# KiCad board model-c.kicad_pcb (continued)
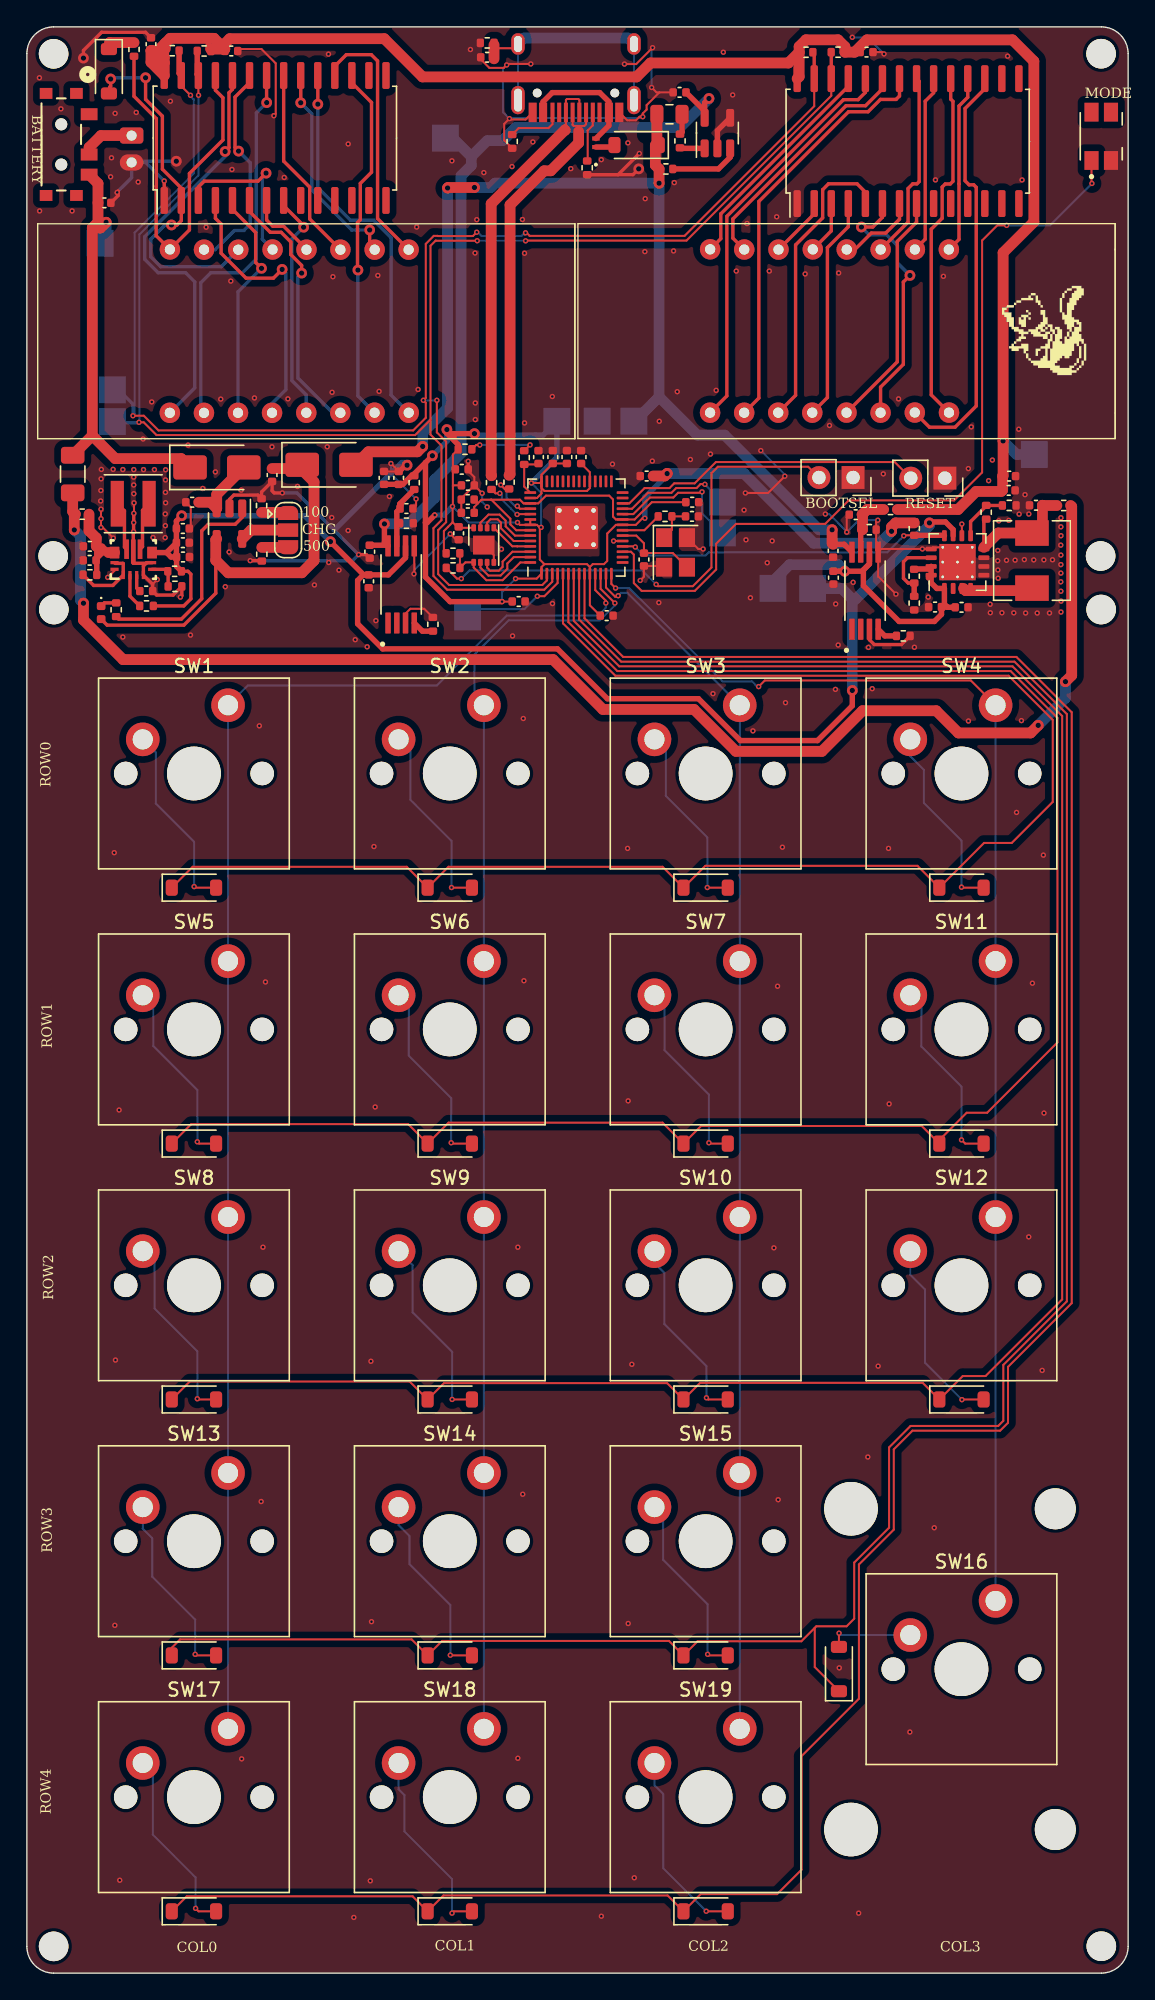
[diagram p0: board, top side]
## Routing (per net, layer and track width the routed paths; a pad name or vN(x,y) marks a point on that pad's centre or on a via; arc(x,y) is an arc through that point) (continued)
Net-(J1-Pin_1): length 4.1
  Top w0.8: J1.1 5.52,136.79 4.64,135.91 SW21.2
Net-(JP2-A): length 2
  Top w0.8: JP2.1 19.43,108.74 R16.2
Net-(JP2-B): length 2
  Top w0.8: JP2.3 19.44,106.13 R15.2
Net-(JP2-C): length 3.7
  Top w0.8: JP2.2 16.71,107.42 16.7,107.43 U4.5
Net-(L1-Pad2): length 5.3
  Top w0.8: 69.74,103.08 69.91,102.91 75.01,102.91
Net-(U3-ADC_AVDD): length 3.4
  Top w0.15: U3.43 37.03,110.66 R11.2 38.03,112.31 C10.1
Net-(U3-GPIO2): length 7.8
  Top w0.15: v1(38.01,102.5) 38.53,102.5 39.52,103.48 U3.4
  Bottom w0.15: 33.26,101.54 37.05,101.54 v1(38.01,102.5)
Net-(U3-SWCLK): length 10.1
  Top w0.15: v1(50.27,110.27) 50.2,110.2 48.49,110.2 48.14,109.85 46.39,109.85 45.15,108.61 U3.24
  Bottom w0.15: v1(50.27,110.27) 50.27,108.67 51.57,107.37 51.59,107.37
Net-(U3-SWD): length 8.7
  Top w0.15: v1(50.49,110.83) 50.35,110.83 50.33,110.85 50.16,110.85 49.86,110.55 48.35,110.55 47.99,110.2 46.25,110.2 45.06,109.01 U3.25
  Bottom w0.15: 51.58,109.61 51.58,109.74 v1(50.49,110.83) 50.6,110.83
Net-(U3-USB_DM): length 4
  Top w0.15: v1(35.28,110.78) 35.59,110.48 R13.1 ; U3.46 36.71,109.01 v1(36.52,109.2)
  Bottom w0.15: v1(36.52,109.2) 36.34,109.2 35.71,109.83 35.71,110.35 v1(35.28,110.78)
Net-(U3-USB_DP): length 3.9
  Top w0.15: U3.47 36.53,108.61 v1(36.5,108.58) ; R12.1 34.89,110.16 v1(35.22,110.16)
  Bottom w0.15: v1(36.5,108.58) 36.47,108.58 36.04,109.01 36.04,109.01 35.36,109.69 35.36,110.01 v1(35.22,110.16)
Net-(U4-STAT): length 16.2
  Top w0.25: R14.2 6.84,100.8 11.51,100.8 13.02,102.31 13.02,107.37 13.51,107.85 15.51,107.85 16.04,108.38 U4.1
Net-(U5-FB): length 5.3
  Top w0.25: U5.14 65.57,105.36 65.27,105.06 65.27,103.83 65.62,103.48 R31.1
  Top w0.4: R32.2 R31.1
Net-(U5-LBI): length 3.9
  Top w0.25: U5.9 70.27,108.05 71.43,109.21 R5.2 71.44,109.25 R9.1
Net-(U5-VBAT): length 10
  Top w0.25: R5.1 71.26,108.07 U5.8 71.43,106.19
  Top w0.8: FB4.1 75.63,109.25 C26.1 75.62,107.98 L1.1 72.32,107.2 71.26,106.14
Net-(U7-EN): length 5.3
  Top w0.4: U7.3 52.37,135.17 51.5,134.3 R22.2
Net-(U7-IN): length 1.9
  Top w0.4: 50.47,135.84 48.67,135.84 FB1.1
Net-(U8-ILIM): length 1.6
  Top w0.4: U8.4 29.45,99.9 R25.1
Net-(U8-OUT): length 5.2
  Top w0.4: C35.1 27.55,108.78 U8.7 ; C35.1 27.78,109.33 27.78,109.34 27.88,109.34 ; C35.1 27.78,109.39 FB3.2
Net-(U9-ILIM): length 1.6
  Top w0.4: U9.4 63.88,99.54 R24.1
Net-(U9-OUT): length 4.6
  Top w0.4: R27.1 62.09,107.32 U9.7
  Top w0.8: FB2.2 62.57,108.95 62.19,108.58 C36.1 ; R27.1 62.23,107.46 62.23,108.56
Net-(U11-EN): length 5.2
  Top w0.25: U11.14 6.58,104.94 7.15,104.94 7.18,104.92 U11.1 6.4,103.3 4.97,103.3 R23.2
Net-(U11-FB): length 2.4
  Top w0.25: R30.1 10.52,104.33 R29.2 10.35,104.5 U11.5
Net-(U11-L1): length 3.7
  Top w0.25: L2.1 7.27,108.85 7.27,106.16 U11.11
Net-(U11-L2): length 3.7
  Top w0.25: U11.9 8.61,106.18 8.61,108.89 9.1,109.38
Net-(U11-PG): length 2.6
  Top w0.25: U11.2 7.68,102.5 R28.2
Net-(U11-VAUX): length 1.3
  Top w0.25: C38.1 8.18,103.11 U11.3
Net-(USB1-CC1): length 3.8
  Top w0.15: R6.1 41.76,134.94 41.76,137.17 42.14,137.55 USB1.4 42.11,138.48
Net-(USB1-CC2): length 4.2
  Top w0.15: 36.14,136.86 36.62,137.34 38.85,137.34 39.14,137.64 USB1.10
Net-(USB1-SHIELD): length 21.1
  Top w0.15: 34.77,143.29 36.25,143.29 36.57,143.61 36.48,143.69
  Top w0.8: 34.78,143.54 34.78,142.5
  Bottom w0.15: USB1.13 USB1.13 45.01,139.23 ; 36.77,139.23 36.57,139.43 36.57,143.61
  Bottom w0.8: 45.17,143.65 USB1.13 44.77,144.05 37.01,144.05 36.57,143.61

## Copper pours and planes (outline as drawn; the poured copper is in the pictures)
GND on Top: 84.35,146.68 84.35,-1.53 -2.23,-1.53 -2.61,-1.14 -2.61,146.01 -1.94,146.68
GND on Bottom: 84.35,146.68 84.35,-1.53 -2.23,-1.53 -2.61,-1.14 -2.61,146.01 -1.94,146.68
VSYS on Top: 45.93,139.1 45.93,135.39 46.33,135 47.77,135 47.97,135.2 47.97,139.1 47.6,139.48 46.36,139.48 46.31,139.42 46.26,139.42

## Text on the board
B.Mask: MODEL-C V2.0
B.Silkscreen: MODEL-C | SCL | SDA | B+ | 3.3V USB | GPIO2 | +3V3 | GND | VSYS | SWD | SWCLK | 5V | BATTERY | 3.3V | BOOTSEL | RESET | MODE | 400mAh LiPo | 8x 14 Segment Displays | RP2040 | Model-C - V2.1 / Brian Hill 2025 / github.com/TrojanPinata/Model-C
F.Mask: MODEL-C V2.0
F.Silkscreen: MODEL-C | COL0 | CHG | 100 | 500 | COL1 | COL2 | BOOTSEL | RESET | COL3 | MODE | ROW0 | ROW4 | ROW1 | ROW3 | ROW2 | BATTERY
